# Altium PCB DM1092.PcbDoc (part 4 of 5) (continued)
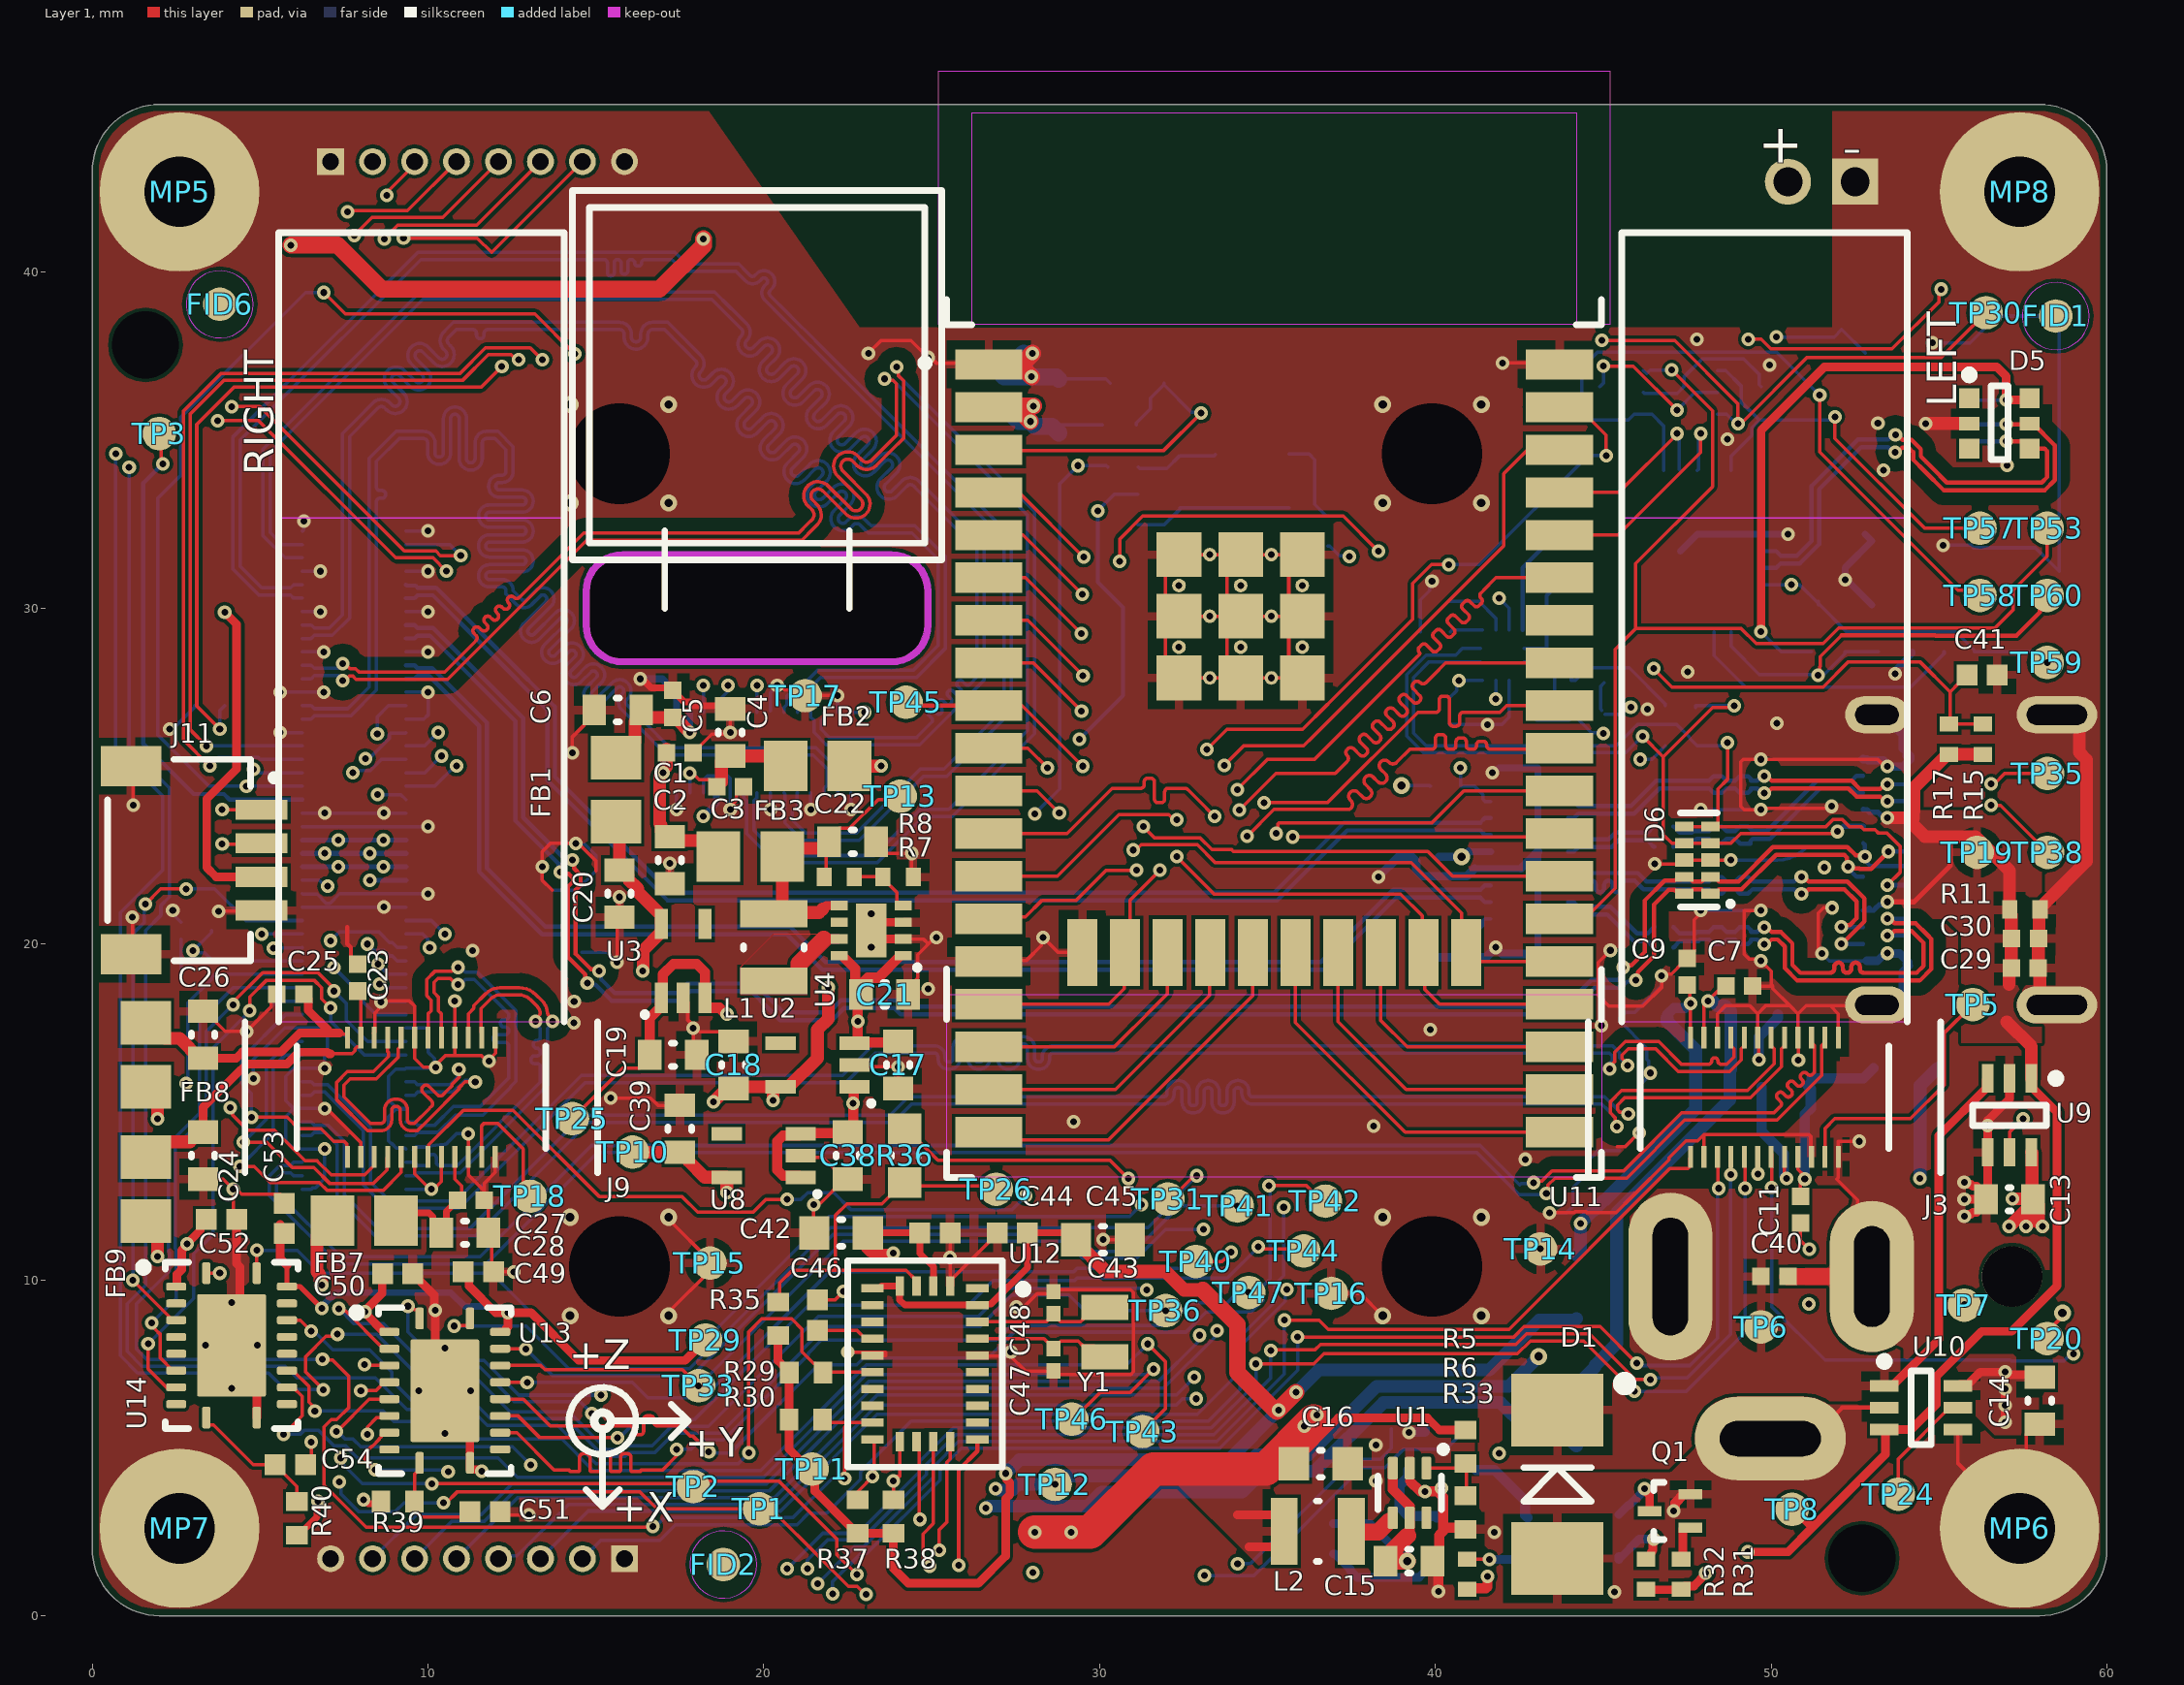
[diagram p0: Layer 1 view]
## Nets (pads, with @x,y where several pads share a name; then routed paths per layer and width w, separated by ;. In a path a pad name is that pad's centre, name@x,y a point inside that pad or via, vN(x,y) a via of type N, cw(c..) or ccw(c..) an arc to the next point about the centre after c; other vN are vias at no path point) (continued)
  Layer 6 w0.127: C34.1@47.08,19.9 47.1,19.9 47.197,19.997 47.197,20.011 47.271,20.086 47.834,20.086 47.884,20.136 48.149,20.136 48.285,20 D8.6@48.41,20 48.535,20 48.671,20.136 48.929,20.136 49.065,20 D8.5@49.19,20 49.315,20 49.401,20.087 49.401,20.131 49.406,20.136 49.586,20.136 49.725,19.997 v1(49.8,19.997) ; v1(53.457,20.756) J10.B3@54.041,20.756
TXC_P: C33.1 D8.4 D8.7 J10.B2 | length 12.2
  Layer 1 w0.127: v1(49.8,20.503) 49.875,20.503 50.014,20.364 50.288,20.364 50.634,20.019 50.634,19.381 50.873,19.142 51.689,19.142 51.753,19.142 ccw(c51.753,19.269) 51.88,19.269 51.88,19.32 cw(c52.007,19.32) 52.134,19.32 52.134,19.269 ccw(c52.261,19.269) 52.388,19.269 52.388,19.32 cw(c52.515,19.32) 52.642,19.32 52.642,19.269 ccw(c52.769,19.269) 52.769,19.142 53.467,19.142 54.331,19.142 54.541,19.352 54.541,20.035 54.466,20.109 54.183,20.392 53.668,20.392 53.532,20.256 v1(53.457,20.256)
  Layer 6 w0.127: C33.1@47.08,20.5 47.1,20.5 47.197,20.404 47.197,20.389 47.271,20.314 47.74,20.314 47.79,20.364 48.149,20.364 48.285,20.5 D8.7@48.41,20.5 48.535,20.5 48.671,20.364 48.929,20.364 49.065,20.5 D8.4@49.19,20.5 49.315,20.5 49.401,20.414 49.401,20.369 49.406,20.364 49.586,20.364 49.725,20.503 v1(49.8,20.503) ; v1(53.457,20.256) J10.B2@54.041,20.256
USB_CM: R14.1 U6.3 | length 1
  Layer 6 w0.102: R14.1@40.45,29.3 40.5,29.35 U6.3@41.4,29.35
USB_D_N: D6.1 D6.10 J1.18 J10.A7 J10.B7 | length 57.9
  Layer 1 w0.127: v1@13.942,22.086 v1(13.942,22.142) 13.995,22.089 14.192,22.089 14.319,21.962 14.319,21.857 14.171,21.709 14.171,19.609 14.689,19.092 14.689,18.895 v1(14.742,18.842) ; v1(45.974,18.923) 46.027,18.976 46.027,19.163 46.511,19.647 46.511,21.177 46.944,21.611 47.124,21.611 47.149,21.587 47.323,21.587 D6.10@47.41,21.5 47.535,21.5 47.671,21.636 47.929,21.636 48.065,21.5 D6.1@48.19,21.5 48.315,21.5 48.451,21.636 49.124,21.636 50.146,22.657 52.178,22.657 52.259,22.577 52.259,22.338 v1(52.291,22.306) 52.344,22.253 52.626,22.253 52.639,22.24 52.979,22.24 v1(53.496,22.756)
  Layer 6 w0.127: J1.18@9.34,29.1 9.6,29.1 9.686,29.186 10.054,29.186 12.608,26.632 12.608,23.672 13.889,22.392 13.889,22.195 v1(13.942,22.142) ; v1(14.742,18.842) 14.795,18.789 14.992,18.789 15.464,18.317 17.531,18.317 17.811,18.596 19.626,18.596 20.154,18.068 20.485,17.737 22.035,17.737 22.392,18.095 23.884,18.095 24.075,17.904 43.948,17.904 44.744,18.7 45.53,18.7 45.712,18.883 45.934,18.883 v1(45.974,18.923) ; v1(52.291,22.306) 52.291,22.256 52.541,22.006 J10.A7@52.741,22.006 ; v1(53.496,22.756) J10.B7@54.041,22.756
USB_D_P: D6.2 D6.9 J1.16 J10.A6 J10.B6 | length 57.5
  Layer 1 w0.127: v1(14.3,22.5) 14.353,22.447 14.353,22.25 14.547,22.056 14.547,21.762 14.4,21.615 14.4,19.704 14.85,19.253 15.047,19.253 v1(15.1,19.2) ; v1(45.591,19.306) 45.644,19.36 45.831,19.36 46.233,19.762 46.233,21.292 46.829,21.889 47.124,21.889 47.149,21.914 47.324,21.914 D6.9@47.41,22 47.535,22 47.671,21.864 47.929,21.864 48.065,22 D6.2@48.19,22 48.315,22 48.451,21.864 49.029,21.864 50.051,22.886 52.273,22.886 52.52,22.638 52.759,22.638 v1(52.791,22.606)
  Layer 6 w0.127: J1.16@9.34,29.5 9.6,29.5 9.686,29.414 10.149,29.414 12.836,26.727 12.836,23.767 14.05,22.553 14.247,22.553 v1(14.3,22.5) ; v1(15.1,19.2) 15.153,19.147 15.153,18.95 15.558,18.545 17.436,18.545 17.716,18.825 19.721,18.825 19.788,18.758 20.47,18.076 20.58,17.966 21.94,17.966 22.298,18.323 23.979,18.323 24.17,18.132 43.853,18.132 44.65,18.929 45.435,18.929 45.55,19.044 45.55,19.266 v1(45.591,19.306) ; J10.A6@52.741,23.006 52.791,22.956 v1(52.791,22.606) 52.844,22.553 52.844,22.431 52.956,22.32 53.977,22.32 J10.B6@54.041,22.256
USB_PORT: R16.1 U6.4 | length 1.9
  Layer 6 w0.102: R16.1@40.45,30.2 41.3,30.2 41.8,29.7 U6.4@41.8,29.35
USB_RX_N: J1.12 U5.7 | length 38.3
  Layer 6 w0.127: J1.12@9.34,30.3 9.6,30.3 9.686,30.386 10.141,30.386 11.678,28.849 11.812,28.715 13.552,26.974 13.552,24.883 17.13,21.305 35.293,21.305 37.374,23.386 41.339,23.386 41.475,23.25 U5.7@41.65,23.25
USB_RX_P: J1.10 U5.8 | length 38.3
  Layer 6 w0.127: J1.10@9.34,30.7 9.366,30.674 9.626,30.674 9.686,30.614 10.236,30.614 10.856,29.994 12.218,28.632 13.781,27.069 13.781,24.977 17.225,21.533 35.198,21.533 37.279,23.614 41.339,23.614 41.475,23.75 U5.8@41.65,23.75
USB_TX_N: J1.24 U5.3 | length 39.5
  Layer 6 w0.127: J1.24@9.34,27.9 9.6,27.9 9.686,27.986 10.033,27.986 11.525,26.494 11.525,22.161 13.397,20.288 20.688,20.288 21.742,19.235 36.69,19.235 38.841,21.386 41.339,21.386 41.475,21.25 U5.3@41.65,21.25
USB_TX_P: J1.22 U5.4 | length 39.5
  Layer 6 w0.127: J1.22@9.34,28.3 9.6,28.3 9.686,28.214 10.128,28.214 11.753,26.589 11.753,22.256 13.492,20.517 20.783,20.517 21.836,19.464 36.596,19.464 38.746,21.614 41.339,21.614 41.475,21.75 U5.4@41.65,21.75
USBSER_D_N: D5.4 J4.3 U15.4 | length 14.7
  Layer 1 w0.127: v1(53.7,35.161) 53.768,35.161 53.914,35.014 54.183,35.014 54.457,34.74 54.457,34.52 54.625,34.352 54.809,34.168 54.819,34.158 55.233,33.744 58.059,33.744 58.222,33.907 58.222,34.676 58.148,34.75 D5.4@57.7,34.75 ; v1(57,34.972) D5.4@57.478,34.972
  Layer 6 w0.127: U15.4@49.7,31.7 50.15,31.7 50.286,31.564 50.465,31.564 50.761,31.564 51.201,32.004 51.201,33.635 52.589,35.023 53.487,35.023 53.625,35.161 v1(53.7,35.161) ; J4.3@55.9,34.9 55.972,34.972 v1(57,34.972)
USBSER_D_P: D5.5 J4.2 U15.5 | length 16
  Layer 1 w0.127: v1(53.694,34.648) 53.77,34.648 53.907,34.786 54.088,34.786 54.228,34.645 54.228,34.425 54.58,34.073 55.138,33.516 58.154,33.516 58.451,33.813 58.451,34.849 57.8,35.5 D5.5@57.7,35.5 57.678,35.478 v1(57,35.478)
  Layer 6 w0.127: U15.5@49.7,31.2 50.15,31.2 50.286,31.336 50.465,31.336 50.856,31.336 51.429,31.909 51.429,33.54 52.684,34.795 53.48,34.795 53.627,34.648 v1(53.694,34.648) ; J4.2@55.9,35.55 55.972,35.478 v1(57,35.478)
VBUS: C29.2 C30.2 J1.53 J10.A4 J10.A9 J10.B4 J10.B9 R11.2 R15.1 R17.1 TP8.1 TP19.1 U9.1 U10.3 | length 96.7
  Layer 1 w0.152: v1(53.457,21.256) 54.253,21.256 55.329,22.332 55.329,23.2
  Layer 1 w0.254: v1(49.3,1.9) 50.501,1.9 51.234,2.633 ; TP8.1@50.625,3.166 50.701,3.166 51.234,2.633 ; U9.1@57.75,16 57.798,15.952 57.798,15.702 58.517,14.983 58.517,9.823 57.163,8.469 56.269,8.469 54.916,7.116 54.916,6.289 54.174,5.547 U10.3@53.368,5.547 53.368,5.531 53.4,5.499 53.4,4.799 51.234,2.633
  Layer 1 w0.381: v1(53.457,23.756) 54.028,23.756 ; R15.1@56.299,25.649 55.249,25.649 54.251,24.651 54.251,23.949 54.231,23.93 54.231,23.75 54.029,23.75 54.579,23.2 55.329,23.2 56.079,23.2 57.101,22.178 R11.2@57.101,20.984 ; 57.02,17.68 57.75,16.95 U9.1@57.75,16 ; 57.082,18.796 57.082,19.212 C29.2@57.151,19.282 57.151,20.094 C30.2@57.159,20.101 ; R11.2@57.109,21.027 57.101,21.02 R11.2@57.101,20.984 ; C30.2@57.159,20.163 C30.2@57.159,20.101 ; R11.2@57.101,20.984 57.143,20.942 57.143,20.873 57.151,20.865 57.151,20.233 57.159,20.225 C30.2@57.159,20.101
  Layer 3 w0.203: v1(7.01,21.719) 7.113,21.719 7.337,21.495 8.503,21.495 8.912,21.905 10.168,21.905 10.577,21.495 11.017,21.495 12.024,20.488 15.86,20.488 16.815,19.534 16.815,18.013 18.495,16.332 18.771,16.332 19.329,15.773 20.777,15.773 22.174,14.376 23.368,14.376 26.645,11.1 26.645,6.858 31.398,2.105 35.981,2.105 36.953,1.133 39.741,1.133 40.689,2.081 42.648,2.081 43.258,2.691 47.809,2.691 48.6,1.9 v1(49.3,1.9)
  Layer 6 w0.102: J1.53@6.26,21.9 6.264,21.904 6.762,21.904 6.947,21.719 v1(7.01,21.719)
  Layer 6 w0.152: J10.A9@52.741,21.006 52.747,21 J10.A9@52.85,21 ; J10.A9@52.924,21.074 J10.A9@52.85,21 ; v1(53.457,21.256) 53.463,21.25 53.566,21.25 J10.B4@54.041,21.25 ; v1@53.48,21.233 53.415,21.168 53.213,21.168 53.124,21.079 53.124,21.074 53.05,21 52.924,21 J10.A9@52.85,21 ; J10.B4@54.041,21.256 54.047,21.25 54.15,21.25 J10.B4@54.152,21.252
  Layer 6 w0.158: J10.A4@52.741,24.006 52.747,24 52.85,24 52.921,23.929 53.176,23.929 53.308,23.798 v1@53.457,23.798 ; v1(53.457,23.756) 53.463,23.75 53.566,23.75 54.041,23.75 J10.B9@54.041,23.756
VBUS_1: D5.6 J4.1 R42.1 U15.7 | length 19.4
  Layer 1 w0.254: v1(49.7,29.3) 49.7,35.3 51.587,37.187 56.713,37.187 57,36.9 v1(57,36.2) 57.65,36.2 D5.6@57.7,36.25
  Layer 6 w0.102: U15.7@49.7,30.2 v1(49.7,29.3) 50.3,28.7 R42.1@51.2,28.7 ; J4.1@55.9,36.2 v1(57,36.2)
VBUS_DET: C41.2 R15.2 R17.2 U6.5 | length 19
  Layer 1 w0.102: v1(46.5,28.2) 47.046,27.654 51.547,27.654 52.299,28.406 54.429,28.406 55.328,27.507 ; C41.2@55.836,28.016 55.577,27.757 55.328,27.507 ; R15.2@56.299,26.549 R17.2@55.299,26.549 55.328,26.578 55.328,27.507
  Layer 3 w0.102: v1(41.9,30.3) 44.4,30.3 v1(46.5,28.2)
  Layer 6 w0.102: v1(41.9,30.3) 42.2,30 U6.5@42.2,29.35
VDD: C58.2 R45.1 TP59.1 U15.6 | length 9.5
  Layer 6 w0.102: U15.6@49.7,30.7 v1(50.6,30.7) 50.85,30.7 C58.2@51.4,30.15 ; C58.2@51.4,30.1 C58.2@51.4,30.15 ; C58.2@51.4,30.2 C58.2@51.4,30.15 ; v1@58.117,28.383 57.8,28.7 R45.1@56.05,28.7 56.05,28.75 55.5,29.3 52.25,29.3 C58.2@51.4,30.15
  other v1: 58.219,28.383
VDD_5V: C13.2 C14.2 C15.2 C17.2 C19.2 C21.2 C36.2 C38.2 J1.47 J1.48 J1.49 J1.50 J1.51 J1.52 J1.54 J8.P2 R20.2 R21.2 R31.2 R32.2 R33.2 R34.2 TP7.1 TP25.1 U1.3 U1.5 U2.1 U2.3 U3.1 U3.3 U4.1 U4.8 U6.12 U8.1 U8.3 U9.6 U10.6 | length 211.8
  Layer 1 w0.102: TP25.1@14.3,14.8 15.801,16.301 16.301,16.301 16.6,16.6 C19.2@16.6,16.7
  Layer 1 w0.25: v1@22.646,15.254 v1(22.66,15.254) ; U10.6@55.568,6.847 55.618,6.897 55.868,6.897 56.227,7.256 56.944,7.256 v1@56.947,7.254 ; v1(56.966,5.762) 56.968,5.764 v1@56.968,6.262 ; v1(56.966,6.262) v1@56.968,6.262 ; v1(56.971,6.756) v1@56.968,6.756 ; v1@56.971,7.254 57.048,7.177 57.923,7.177 C14.2@58,7.1 ; v1(56.971,7.256) 56.959,7.244 56.959,6.765 v1@56.968,6.756 ; v1@56.968,6.262 v1@56.968,6.756
  Layer 1 w0.254: R32.2@46.279,0.787 46.292,0.774 47.307,0.774 47.418,0.885 47.701,0.885 48.046,1.231 v1(48.046,1.266)
  Layer 1 w0.3: U1.3@38.735,4.394 38.735,3.759 39.235,3.259 U1.5@39.235,2.914 39.235,2.443 39.177,2.385 ; R33.2@40.945,0.787 40.975,0.818 41.509,0.818 41.554,0.864 v1(41.554,1.168)
  Layer 1 w0.305: C19.2@16.6,16.7 16.6,17.8 16.902,18.102 16.902,18.352 16.998,18.448 16.998,19.098 17.306,19.407 18.001,19.407 18.25,19.158 18.25,18.15 18.298,18.102 18.682,18.102 18.873,17.912 v1(18.9,17.912) ; U8.1@21.1,13.05 21.052,13.098 20.576,13.098 20.398,13.276 20.398,14.124 20.576,14.302 21.052,14.302 U8.3@21.1,14.35 ; U8.3@21.125,14.375 22.475,14.375 22.66,14.56 22.66,15.154 22.679,15.173 22.679,15.729 U2.1@22.7,15.75 ; U4.8@22.348,19.638 22.719,19.266 22.719,18.881 C21.2@22.9,18.7 ; U2.3@22.7,17.05 U2.3@22.848,17.05 ; U2.3@22.9,17.05 U2.3@22.848,17.05 ; U2.3@22.998,17.075 23.975,17.075 C17.2@24,17.1 ; U4.1@24.052,19.638 23.412,18.998 23.098,18.998 22.9,18.8 C21.2@22.9,18.7 ; U2.3@22.848,17.05 22.8,17.098 v1(22.8,17.7) 22.8,18.6 C21.2@22.9,18.7
  Layer 1 w0.381: v1(57.086,11.586) C13.2@57.64,12.141 ; v1(57.186,12.414) C13.2@57.759,12.414 ; v1(57.586,11.586) 57.586,11.593 57.64,11.647 C13.2@57.64,12.141 ; U9.6@57.75,13.8 57.773,13.777 C13.2@57.773,12.427 ; C13.2@57.8,12.5 C13.2@57.8,12.414 ; v1(58.086,11.586) 58.086,11.593 57.959,11.72 57.959,12.241 C13.2@57.8,12.4 ; C13.2@57.64,12.141 57.64,12.295 C13.2@57.759,12.414 ; C13.2@57.64,12.141 57.773,12.273 C13.2@57.773,12.427 ; C13.2@57.759,12.414 C13.2@57.773,12.427 ; C13.2@57.773,12.427 C13.2@57.786,12.414 ; C13.2@57.786,12.414 C13.2@57.8,12.4 ; C13.2@57.786,12.414 C13.2@57.8,12.414 ; C13.2@57.8,12.4 C13.2@57.8,12.414
  Layer 1 w0.5: v3(39.167,1.626) 38.842,1.626 38.68,1.788 C15.2@38.518,1.626 38.518,1.726 39.177,2.385
  Layer 3 w0.102: v1(8.27,22.7) 8.67,22.7 v1(8.67,23.1) ; v1(57.086,11.586) 57.253,11.753
  Layer 3 w0.15: 57.135,11.79 57.283,11.938 57.554,12.208 57.641,12.121 57.641,11.872 57.635,11.866 57.635,11.635 57.611,11.611 v1(57.586,11.586)
  Layer 3 w0.25: v1(40.7,27.851) 45.022,27.851 v1(45.819,27.054) ; 42.926,9.126 40.1,6.3 39.4,6.3 38.71,5.61 38.71,3.008 38.9,2.818 38.9,2.8 39.3,3.2 46.578,3.2 47.038,3.66 52.56,3.66 55.7,6.8 55.7,10.927 v1(57.186,12.414) ; 44.739,8.478 44.739,10.939 44.739,11.15 45.095,11.505 ; 45.2,12.219 45.806,12.825 ; 46.122,13.141 47.453,13.141 ; 47.6,27 49,28.4 ; 48.795,11.8 50.15,11.8
  Layer 3 w0.254: 48.781,15.8 52.8,15.8 ; 49,28.4 50.648,28.4 51.097,28.849 54.133,28.849 54.257,28.725 55.975,28.725 ; 50.581,34.119 55.975,28.725 ; 52.759,13.025 55.542,15.808 ; 57.253,11.969 57.253,12.414 57.186,12.481 57.186,13.727 57.07,13.844 57.07,15.116 56.783,15.403 55.947,15.403 55.542,15.808 ; 52.8,15.8 55.14,18.14 55.14,20.909 56.075,21.844 56.075,28.625 55.975,28.725 ; 52.8,15.8 53.2,15.8 53.8,16.4 54.95,16.4 55.542,15.808
  Layer 3 w0.3: 41.161,1.189 41.534,1.189 v1(41.554,1.168) 41.575,1.189 41.839,1.189
  Layer 3 w0.5: v1(7.33,22.3) v1(8.67,22.3) ; 42.926,9.126 44.739,10.939 45.2,11.4 45.2,12.219 ; 45.806,12.825 46.122,13.141 48.781,15.8 ; 50.15,11.8 50.582,11.8 51.807,13.025 52.759,13.025
  Layer 3 w1: v1(6.93,22.7) 7.33,22.7 ; v1(7.33,23.1) 7.998,23.1 8.002,23.097 ; 8.67,22.7 9.664,22.7 9.667,22.697 10.333,22.697 10.336,22.7 12.664,22.7 13.767,23.803 14.891,23.803 16.397,22.297 16.397,22.067 16.503,21.961 16.503,21.63 19.901,18.232 19.901,17.912 ; v1(18.9,17.912) 19.901,17.912 ; v1(22.8,17.7) 22.66,17.56 v1(22.66,15.254) ; 38.9,2.8 38.894,2.806 31.763,2.806 28.575,5.994 28.575,10.414 23.735,15.254 v1(22.66,15.254) ; 57.253,11.969 57.283,11.938 57.361,11.861 v1@57.611,11.611 ; 19.901,17.912 22.56,15.254 v1(22.66,15.254)
  Layer 3 w1.5: J8.P2@50.5,42.7 50.5,42.13 51.99,40.64 52.705,40.64
  Layer 6 w0.102: C36.2@40.424,27.333 40.633,27.543 40.633,27.701 40.7,27.769 v1(40.7,27.851) U6.12@41.4,27.85 U6.12@41.4,27.85 ; R21.2@44.958,26.963 44.92,27 44.92,27.672 R20.2@45.025,27.776 ; R21.2@45.047,26.848 45.05,26.845 45.527,26.845 45.737,27.054 v1(45.819,27.054)
  Layer 6 w0.15: J1.51@6.26,22.3 v1(7.33,22.3) v1(8.67,22.3) J1.52@9.34,22.3 ; J1.49@6.26,22.7 v1(6.93,22.7) v1(8.27,22.7) J1.50@9.34,22.7 ; J1.47@6.26,23.1 v1(7.33,23.1) v1(8.67,23.1) J1.48@9.34,23.1 ; v1(8.27,21.9) J1.54@9.34,21.9 ; v1@58.037,11.705 58.042,11.7 58.1,11.7 58.1,11.6 v1(58.086,11.586)
  Layer 6 w0.254: R34.2@36.957,2.743 38.049,2.743 v3(39.167,1.626)
  other v1: 55.753,9.267
VSPI_CS0: TP44.1 U11.29 U13.14 | length 52.4
  Layer 1 w0.102: U13.14@12.15,5.95 12.686,5.95 13.336,5.3 v1(15.641,5.3) ; v1(34.392,23.212) 34.403,23.212 35.199,24.008 37.45,24.008 37.486,24.043 ccw(c37.373,24.157) 37.486,24.271 37.466,24.291 cw(c37.58,24.405) 37.466,24.518 cw(c37.58,24.405) 37.694,24.518 37.831,24.381 ccw(c37.945,24.494) 38.059,24.381 ccw(c37.945,24.494) 38.059,24.608 37.921,24.746 cw(c38.035,24.859) 37.921,24.973 cw(c38.035,24.859) 38.148,24.973 38.286,24.835 ccw(c38.4,24.949) 38.514,24.835 ccw(c38.4,24.949) 38.514,25.063 38.376,25.201 cw(c38.49,25.314) 38.376,25.428 cw(c38.49,25.314) 38.603,25.428 38.623,25.408 ccw(c38.737,25.522) 38.851,25.408 39.243,25.8 39.395,25.8 39.7,25.8 39.898,25.8 ccw(c39.898,25.907) 40.005,25.907 40.005,26.128 cw(c40.112,26.128) 40.112,26.234 40.203,26.234 cw(c40.203,26.128) 40.31,26.128 40.31,25.907 ccw(c40.416,25.907) 40.416,25.8 40.508,25.8 ccw(c40.508,25.907) 40.614,25.907 40.614,26.03 cw(c40.721,26.03) 40.721,26.137 40.813,26.137 cw(c40.813,26.03) 40.919,26.03 40.919,25.907 ccw(c41.026,25.907) 41.026,25.8 41.117,25.8 ccw(c41.117,25.907) 41.224,25.907 41.224,25.933 cw(c41.331,25.933) 41.331,26.039 41.422,26.039 cw(c41.422,25.933) 41.529,25.933 41.529,25.907 ccw(c41.636,25.907) 41.636,25.8 41.834,25.8 42.138,25.8 42.245,25.8 43.27,25.8 U11.29@43.3,25.83 ; v1(34.729,10.981) 34.787,10.923 36.016,10.923 TP44.1@36.08,10.858
  Layer 3 w0.102: v1(34.392,23.212) 34.685,22.919 34.685,11.025 v1(34.729,10.981)
  Layer 6 w0.102: v1(15.641,5.3) 15.7,5.3 16.233,5.833 17.923,5.833 21.336,9.246 26.093,9.246 26.831,9.983 29.257,9.983 29.328,10.054 33.801,10.054 v1(34.729,10.981)
VSPI_HOLDn_SIO3: TP40.1 U11.33 U13.16 | length 53.4
  Layer 1 w0.102: U13.16@12.15,6.95 v1(12.952,6.95) ; TP40.1@32.87,10.55 33.651,10.55 v1(33.923,10.822) ; v1(34.1,24.6) 35,25.5 36.4,25.5 39.447,28.547 39.521,28.621 ccw(c39.487,28.654) 39.521,28.688 cw(c39.596,28.764) 39.521,28.839 39.585,28.904 cw(c39.661,28.828) 39.736,28.904 39.77,28.87 39.909,28.731 ccw(c39.985,28.806) 40.06,28.731 40.125,28.795 ccw(c40.049,28.871) 40.125,28.946 39.986,29.086 39.952,29.119 cw(c40.027,29.195) 39.952,29.27 40.016,29.335 cw(c40.092,29.259) 40.167,29.335 40.201,29.301 40.337,29.165 ccw(c40.412,29.241) 40.488,29.165 40.552,29.23 ccw(c40.477,29.306) 40.552,29.381 40.417,29.517 40.383,29.55 cw(c40.458,29.626) 40.383,29.701 40.448,29.766 cw(c40.523,29.69) 40.598,29.766 40.632,29.732 40.768,29.596 ccw(c40.843,29.672) 40.919,29.596 40.983,29.661 ccw(c40.908,29.737) 40.983,29.812 40.848,29.948 40.814,29.981 cw(c40.889,30.057) 40.814,30.132 40.879,30.197 cw(c40.954,30.121) 41.029,30.197 41.063,30.163 41.151,30.075 ccw(c41.227,30.151) 41.302,30.075 41.367,30.14 ccw(c41.291,30.215) 41.367,30.291 41.354,30.303 cw(c41.43,30.379) 41.354,30.454 41.494,30.594 41.71,30.81 41.81,30.91 U11.33@43.3,30.91
  Layer 3 w0.102: v1(33.923,10.822) 33.923,11.876 33.746,12.053 33.746,23.619 33.813,23.685 33.813,24.313 v1(34.1,24.6)
  Layer 6 w0.102: v1(12.952,6.95) 16.088,6.95 16.546,6.491 18.207,6.491 21.952,10.236 29.225,10.236 29.329,10.34 33.401,10.34 33.883,10.822 v1(33.923,10.822)
VSPI_SCK: TP42.1 U11.30 U13.15 | length 54.1
  Layer 1 w0.102: U13.15@12.15,6.45 12.842,6.45 13.639,5.654 15.051,5.654 15.203,5.654 15.508,5.654 15.813,5.654 16.011,5.654 cw(c16.011,5.547) 16.118,5.547 16.118,5.493 ccw(c16.225,5.493) 16.225,5.387 16.316,5.387 ccw(c16.316,5.493) 16.423,5.493 16.423,5.654 16.423,5.846 cw(c16.529,5.846) 16.529,5.953 16.621,5.953 cw(c16.621,5.846) 16.727,5.846 16.727,5.761 ccw(c16.834,5.761) 16.834,5.654 17.032,5.654 17.337,5.654 17.498,5.654 17.606,5.546 17.797,5.355 17.882,5.355 18.352,4.884 v1(18.363,4.884) ; v1(34.9,24.209) 36.787,24.209 39.478,26.9 39.965,26.9 40.01,26.9 ccw(c40.01,27.007) 40.117,27.007 40.117,27.276 cw(c40.224,27.276) 40.224,27.383 40.315,27.383 cw(c40.315,27.276) 40.422,27.276 40.422,26.9 40.422,26.594 ccw(c40.528,26.594) 40.528,26.488 40.62,26.488 ccw(c40.62,26.594) 40.727,26.594 40.727,26.793 cw(c40.833,26.793) 40.833,26.9 41.031,26.9 41.336,26.9 41.641,26.9 41.919,26.9 42.119,27.1 U11.30@43.3,27.1 ; v1@35.068,12.78 v1(35.039,12.81) 36.155,12.81 36.59,12.374 36.699,12.374 TP42.1@36.728,12.344
  Layer 3 w0.102: v1(34.9,24.209) 34.9,18.55 35.039,18.411 v1(35.039,12.81)
  Layer 6 w0.102: v1(18.363,4.884) 18.379,4.884 18.414,4.85 19.005,4.85 21.623,7.468 22.767,7.468 22.968,7.669 26.676,7.669 27.452,8.445 32.577,8.445 33.174,9.042 34.519,9.042 34.874,9.398 34.874,9.83 35.083,10.038 35.083,12.766 v1(35.039,12.81)
VSPI_SDI_SIO1: TP41.1 U11.31 U13.18 | length 51.9
  Layer 1 w0.102: U13.18@12.15,7.95 12.91,7.95 v1(12.914,7.946) ; v1(34.167,23.995) 35.254,25.082 37.02,25.082 37.338,25.4 37.374,25.436 ccw(c37.285,25.525) 37.374,25.614 37.372,25.616 cw(c37.461,25.705) 37.372,25.794 37.392,25.813 ; 37.392,25.813 cw(c37.481,25.724) 37.569,25.813 ; 37.569,25.813 37.749,25.634 ccw(c37.838,25.723) 37.926,25.634 37.946,25.654 ccw(c37.857,25.743) 37.946,25.832 37.767,26.011 cw(c37.856,26.1) 37.767,26.189 37.787,26.209 cw(c37.876,26.12) 37.965,26.209 38.144,26.029 ccw(c38.233,26.118) 38.322,26.029 38.341,26.049 ccw(c38.252,26.138) 38.341,26.227 38.162,26.406 cw(c38.251,26.495) 38.162,26.584 38.182,26.604 cw(c38.271,26.515) 38.36,26.604 38.539,26.424 ccw(c38.628,26.513) 38.717,26.424 38.737,26.444 ccw(c38.648,26.533) 38.737,26.622 38.557,26.801 cw(c38.646,26.89) 38.557,26.979 38.577,26.999 cw(c38.666,26.91) 38.755,26.999 38.934,26.82 ccw(c39.023,26.908) 39.112,26.82 39.132,26.839 ccw(c39.043,26.928) 39.132,27.017 38.952,27.196 cw(c39.041,27.285) 38.952,27.374 38.972,27.394 cw(c39.061,27.305) 39.15,27.394 39.332,27.212 ccw(c39.421,27.301) 39.51,27.212 39.529,27.232 ccw(c39.441,27.321) 39.529,27.41 39.348,27.591 cw(c39.436,27.68) 39.348,27.769 39.367,27.789 cw(c39.456,27.7) 39.545,27.789 39.547,27.787 ccw(c39.636,27.876) 39.725,27.787 39.941,28.003 40.308,28.37 U11.31@43.3,28.37
  Layer 3 w0.102: v1(34.1,12.2) 34.1,18.002 34.038,18.064 34.038,23.783 34.167,23.912 v1(34.167,23.995)
  Layer 6 w0.102: v1(12.914,7.946) 13.708,7.152 17.866,7.152 22.065,11.351 29.32,11.351 29.825,10.846 31.018,10.846 32.372,12.2 v1(34.1,12.2)
VSPI_SDO_SIO0: TP31.1 U11.37 U13.20 | length 59.3
  Layer 1 w0.102: v1(10.774,8.626) 10.787,8.638 11.189,8.638 11.25,8.7 U13.20@11.25,8.85 ; TP31.1@32.033,12.407 32.121,12.407 32.814,13.1 v1(32.896,13.1) ; v1(33.2,25.8) 33.793,26.393 36.045,26.393 36.761,27.109 ; 36.762,27.109 36.851,27.198 ; 36.851,27.199 39.325,29.673 39.325,30.744 39.881,31.3 v1(40.4,31.3) ; U11.37@42.75,35.99 44.51,35.99 44.51,35.73 45.085,35.155 v1(45.085,34.544)
  Layer 3 w0.102: v1(32.896,13.1) 32.871,13.125 32.871,25.471 v1(33.2,25.8)
  Layer 6 w0.102: v1(10.774,8.626) 12.924,8.626 14.196,7.353 17.782,7.353 21.983,11.554 31.441,11.554 32.139,12.253 32.139,12.343 v1(32.896,13.1) ; v1(40.4,31.3) 41.3,31.3 44.544,34.544 v1(45.085,34.544)
VSPI_WPn_SIO2: TP33.1 U11.36 U13.17 | length 52.5
  Layer 1 w0.102: U13.17@12.15,7.45 13.36,7.45 13.488,7.321 17.577,7.321 18.053,6.845 v1(18.06,6.845) ; v1(33.712,25.321) 34.291,25.9 36.079,25.9 36.349,26.17 40.312,30.133 42.037,31.858 42.037,34.007 42.75,34.72 U11.36@43.3,34.72
  Layer 3 w0.102: v1(33.098,11.5) 33.098,12.801 33.25,12.953 33.25,18.687 33.072,18.865 33.072,24.681 v1(33.712,25.321)
  Layer 6 w0.102: v1(18.06,6.845) 22.364,11.149 28.995,11.149 29.499,10.644 31.101,10.644 31.957,11.5 v1(33.098,11.5)
XIN: C48.2 U12.27 Y1.1 | length 4.2
  Layer 1 w0.102: U12.27@26.363,8.75 28.405,8.75 C48.2@28.625,8.97 ; C48.2@28.625,8.99 C48.2@28.625,8.97 ; Y1.1@30.15,9.175 29.825,9.175 29.513,8.863 29.513,8.834 29.439,8.76 28.835,8.76 C48.2@28.625,8.97
XOUT: C47.2 U12.26 Y1.2 | length 4.2
  Layer 1 w0.102: U12.26@26.363,8.25 28.345,8.25 C47.2@28.625,7.97 ; C47.2@28.625,7.95 C47.2@28.625,7.97 ; Y1.2@30.15,7.715 29.839,8.027 29.513,8.027 29.36,8.18 28.846,8.18 28.782,8.117 28.771,8.117 C47.2@28.625,7.97
pads on no net: D5.1 D5.3 FID1.1 FID2.1 FID3.1 FID4.1 FID5.1 FID6.1 J2.16 J2.21 J2.22 J4.4 J7. J10.A8 J10.B8 U1.6 U2.4 U3.4 U4.6 U5.1 U5.10 U6.9 U8.4 U11.17 U11.18 U11.19 U11.20 U11.21 U11.22 U11.32 U12.1 U12.7 U12.8 U12.12 U12.13 U12.21 U12.22 U12.23 U12.24 U13.9 U13.12 U14.3 U14.5 U14.6 U14.9 U14.12 U14.15 U14.16 U14.18 U15.1 U15.2 U15.10 U15.11 U15.12 U15.13 U15.14 U15.15 U15.16 U15.17 U15.18 U15.19 U15.20 U15.21 U15.22 U15.23 U15.27
copper on no net: | length 55.9
  Layer 1 w0.102: 26.3,15.67 30.47,15.67 32.895,18.095 ; 26.3,16.94 30.44,16.94 31.625,18.125 ; 26.525,14.175 30.275,14.175 34.565,18.465 34.565,19.75 ; 31.404,17.904 32.025,18.525 32.025,19.75 ; 32.704,17.904 33.274,18.474 33.274,18.669 33.274,19.729 ; 35.835,19.75 35.835,17.665 39.1,14.4 43.3,14.4 ; 37.105,19.75 37.105,17.695 39.13,15.67 43.3,15.67 ; 38.375,19.75 38.375,17.725 39.16,16.94 43.3,16.94

## Polygon pours and split planes (outlines as drawn)
GND on Layer 1 "L1_GND" (solid, remove dead copper, pour order 6): 0,2 ccw(c2,2) 2,0 58,0 ccw(c58,2) 60,2 60,43 ccw(c58,43) 58,45 2,45 ccw(c2,43) 0,43
NetC40_2 on Layer 1 "NetC40_2" (solid, remove dead copper, pour order 5): 53.841,6.39 53.841,12.712 45.791,12.712 45.791,11.43 45.791,8.006 45.591,7.887 42.209,7.864 41.275,6.913 41.275,4.369 46.965,4.369 48.986,6.39
VBUS on Layer 1 "VBUS_L01_P000" (solid, remove dead copper, pour order 0): 58.053,23.981 58.053,18.38 58.053,17.056 55.667,17.056 55.667,20.3 55.217,20.75 53.237,20.75 53.237,23.982
3V3 on Layer 1 "Net_3V3" (solid, remove dead copper, pour order 4): 36.558,1.012 36.558,4.408 31.979,4.408 31.979,4.241 35.158,1.062 35.158,1.012
VDD_5V on Layer 1 "VDD_5V_L01_P001" (solid, remove dead copper, pour order 1): 55.202,7.781 57.974,7.781 57.974,5.378 56.658,5.378 55.202,6.834
NetL1_1 on Layer 1 "NetL1_1" (solid, remove dead copper, pour order 2): 22.25,20.29 20.29,20.29 19.3,19.3 19.3,18.5 21.3,18.5 21.3,19.31 22,20.01 22.25,20.01
GND on Layer 3 "L3_GND" (solid, remove dead copper, pour order 9): 0,2 ccw(c2,2) 2,0 58,0 ccw(c58,2) 60,2 60,43 ccw(c58,43) 58,45 2,45 ccw(c2,43) 0,43
VDD_5V on Layer 3 "L3_VDD_5V" (solid, remove dead copper, pour order 8): 41.342,9.529 37.063,5.25 32.672,5.25 30.117,7.805 30.117,10.434 15.134,25.416 6.033,25.416 6.033,20.45 16.013,20.45 21.15,15.312 21.15,10.349 30.407,1.092 57.424,1.092 57.424,11.176 58.655,11.176 58.655,15.575 57.424,15.575 57.424,43.53 49.125,43.53 49.125,36.051 41.342,36.051
GND on Layer 2 "L2_GND" (solid, remove dead copper, pour order 7): 0,2 ccw(c2,2) 2,0 58,0 ccw(c58,2) 60,2 60,43 ccw(c58,43) 58,45 2,45 ccw(c2,43) 0,43
GND on Layer 5 "L4_GND" (solid, remove dead copper, pour order 10): 0,2 ccw(c2,2) 2,0 58,0 ccw(c58,2) 60,2 60,43 ccw(c58,43) 58,45 2,45 ccw(c2,43) 0,43
GND on Layer 4 "L5_GND" (solid, remove dead copper, pour order 11): 0,2 ccw(c2,2) 2,0 58,0 ccw(c58,2) 60,2 60,43 ccw(c58,43) 58,45 2,45 ccw(c2,43) 0,43
GND on Layer 6 "L6_GND" (solid, remove dead copper, pour order 12): 0,2 ccw(c2,2) 2,0 58,0 ccw(c58,2) 60,2 60,43 ccw(c58,43) 58,45 2,45 ccw(c2,43) 0,43

## Other copper
Layer 1:
  pour cut-out: 22.86,38.354 17.526,46 51.816,46 51.816,38.354
Layer 2:
  pour cut-out: 22.86,38.354 17.526,46 51.816,46 51.816,38.354
Layer 3:
  pour cut-out: 22.86,38.354 17.526,46 51.816,46 51.816,38.354
Layer 5:
  pour cut-out: 22.86,38.354 17.526,46 51.816,46 51.816,38.354
Layer 4:
  pour cut-out: 22.86,38.354 17.526,46 51.816,46 51.816,38.354
Layer 6:
  pour cut-out: 22.86,38.354 17.526,46 51.816,46 51.816,38.354

## Silkscreen, mask and mechanical layers (free items; w line width, h text height)
Top Overlay:
  circle w0.2: c15.2,5.8 r1
  circle w0.25: c15.2,5.8 r0.25
  lines w0.2: 14.7,3.75 15.2,3.25 ; 15.2,5.5 15.2,3.25 ; 15.5,5.8 17.75,5.8 ; 15.7,3.75 15.2,3.25 ; 17.25,5.3 17.75,5.8 ; 17.75,5.8 17.25,6.3 17.75,5.8
  text "+" at 50.95,44.65 h2 r180
  text "-" at 52.7,44.4 h2 r180
  text "LEFT" at 55.8,36 h1.5 r90
  text "RIGHT" at 5.685,33.959 h1.5 r90
  text "+Z" at 14.2,7.05 h1.5
  text "+Y" at 17.653,4.445 h1.5
  text "+X" at 15.5,2.5 h1.5
Bottom Overlay:
  drawing of 7 lines, arcs and shapes, not listed
  text "+" at 46.05,41.4 h2 r180
  text "5V" at 47.3,41.4 h1.5
  text "-" at 47.8,41.15 h2 r180
  text "RST" at 51.7,38.2 h1.5
  text "ESP_GPIO15" at 18.866,37.79 h1 r330
  text "ESP_GPIO14" at 17.857,36.961 h1 r330
  text "ESP_GPIO2" at 8.063,35.999 h1 r270
  text "ESP_GPIO4" at 9.263,35.995 h1 r270
  text "ESP_GPIO12" at 10.514,35.512 h1 r270
  text "ESP_GPIO13" at 11.753,35.506 h1 r270
  text "FSIN2" at 32.969,34.595 h1 r270
  text "FSIN1" at 35.1,34.5 h1 r270
  text "SHUTTER SYNC" at 37.05,29.15 h1.25
  text "I2C3" at 0.48,21.536 h1 r270
  text "ESP_GPIO17" at 17.825,7.368 h1 r30
  text "ESP_GPIO16" at 18.787,6.78 h1 r30
  text ".project_title  / .revision" at 32.3,4.3 h1.5
  text "ESP_GPIO39" at 8.163,4.1 h1 r270
  text "ESP_GPIO36" at 9.363,4.1 h1 r270
  text "ESP_GPIO35" at 10.663,4.1 h1 r270
  text "ESP_GPIO34" at 11.863,4.1 h1 r270
  text "5V" at 43.764,1.575 h1.5 r270
  text "PG" at 41.043,1.51 h1.5 r270
  text "RUN" at 38.068,1.076 h1.5 r270
Board:
  the board outline again, w0.1
Top Assembly:
  lines w0.1: 14.05,41.65 ccw(c14.05,41.65) 14.05,41.65
Dimensions:
  text "ALL UNITS IN MM" at 27,48.021 h2
Fab Notes:
  text "Use .GM1 only for board outline." at 17.932,-3.764 h2